# Altium PCB RT5728MainDriver20181215V0.01.PcbDoc (part 2 of 2)
Units mil, origin at the board's own origin, x right, y up, seen from the top; angles counter-clockwise.
Board outline 3464.57 x 2755.91 mil, 2 copper layers (Top Layer, Bottom Layer); 138 components, 73 nets, 341 pads, 541 vias.
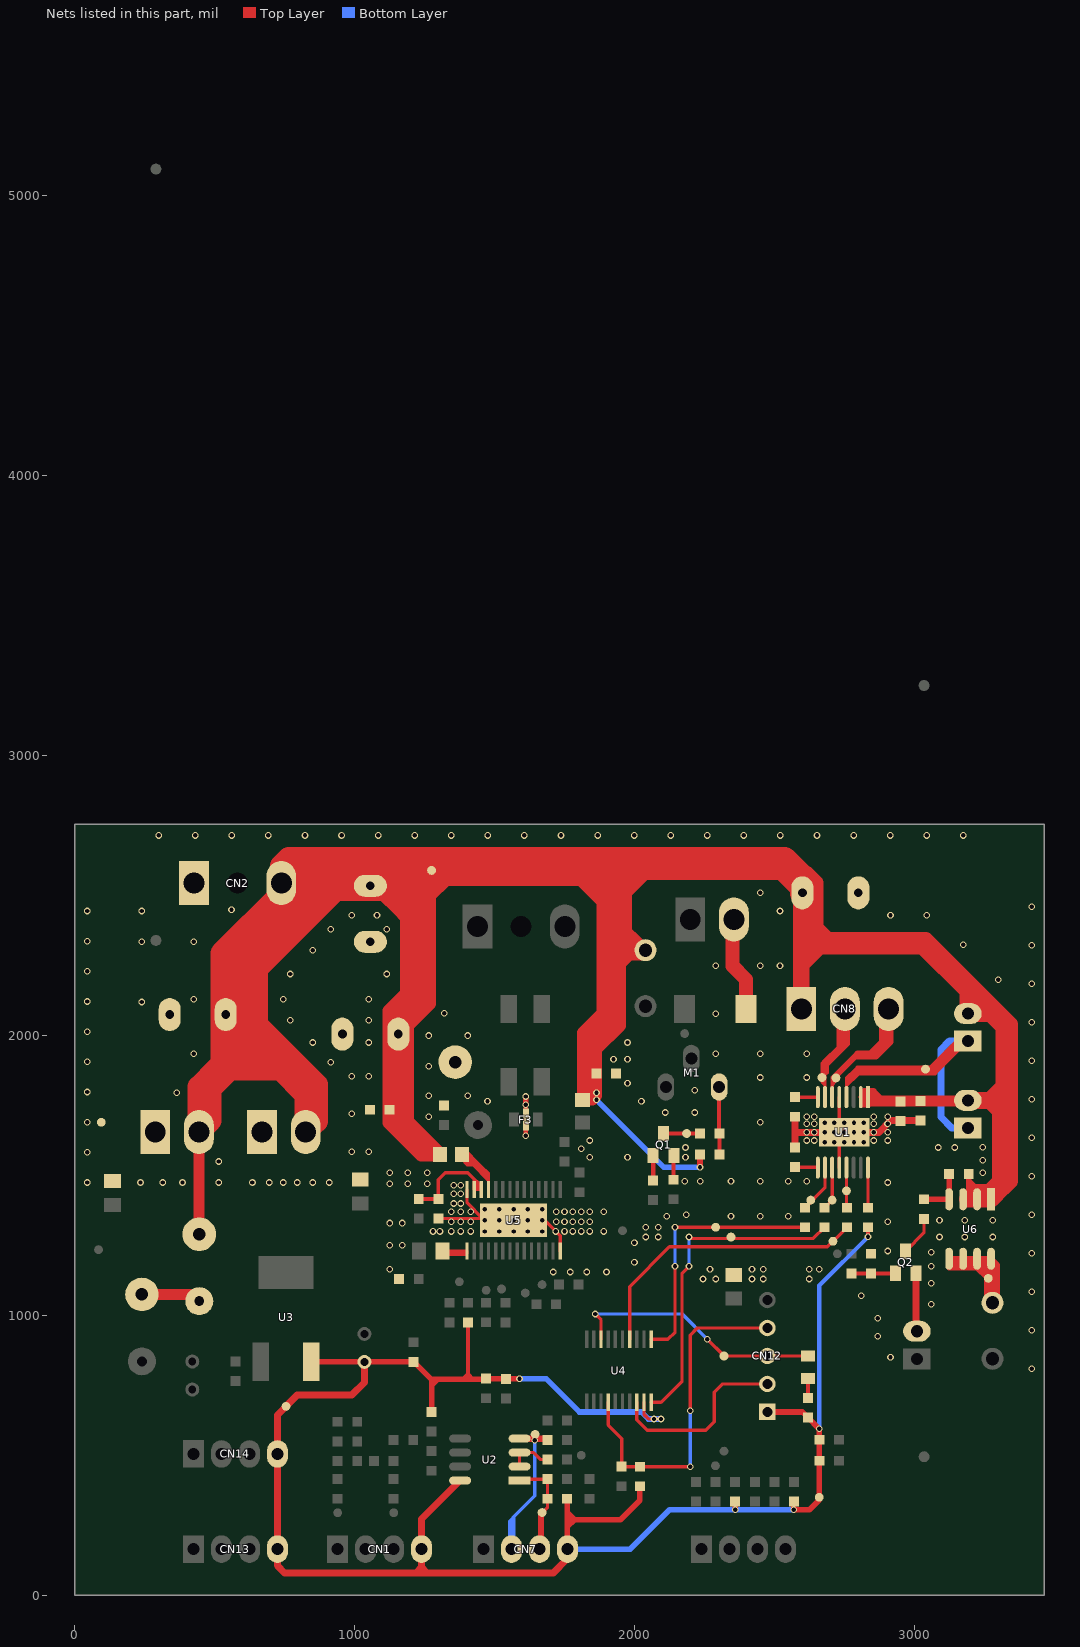
[diagram p2: the nets of this part, all layers, seen from the top]

## Via types
v1: diameter 23.62, hole 15.75, Top Layer to Bottom Layer, tented both sides, 511 vias
v2: diameter 19.68, hole 15.75, Top Layer to Bottom Layer, tented both sides, 30 vias

## Nets (pads, with @x,y where several pads share a name; then routed paths per layer and width w, separated by ;. In a path a pad name is that pad's centre, name@x,y a point inside that pad or via, vN(x,y) a via of type N, cw(c..) or ccw(c..) an arc to the next point about the centre after c; other vN are vias at no path point) (continued)
NetF2_2: F2.2 TP21.1 U6.5 U6.6 U6.7 U6.8 | length 1273.4
  Top Layer w20: 3244.37,1175 3244.37,1185 ; F2.2@3259.37,1065 TP21.1@3259.37,1135 ; F2.2@3274.37,1050 3274.37,1120 ; F2.2@3279.37,1045 U6.8@3279.37,1197.4 ; F2.2@3296.77,1062.4 3296.77,1180 U6.8@3279.37,1197.4 ; U6.5@3124.37,1185 U6.5@3124.37,1202.4 U6.6@3174.37,1202.4 3204.37,1202.4 ; U6.5@3124.37,1185 3124.37,1170 U6.7@3224.37,1170 ; U6.5@3124.37,1185 U6.7@3221.77,1185 ; 3204.37,1202.4 U6.7@3224.37,1202.4 ; 3204.37,1202.4 U6.7@3221.77,1185 ; U6.7@3221.77,1185 U6.7@3224.37,1182.4 ; U6.7@3221.77,1185 U6.7@3224.37,1185 ; U6.7@3224.37,1170 U6.7@3224.37,1182.4 ; U6.7@3224.37,1170 3236.77,1170 ; U6.7@3224.37,1170 TP21.1@3259.37,1135 ; U6.7@3224.37,1182.4 U6.7@3224.37,1185 ; U6.7@3224.37,1182.4 3236.77,1170 ; U6.7@3224.37,1185 U6.7@3224.37,1202.4 ; U6.7@3224.37,1185 3244.37,1185 ; U6.7@3224.37,1202.4 3244.37,1202.4 ; 3236.77,1170 3259.37,1170 ; 3236.77,1170 3259.37,1147.4 ; 3244.37,1185 3259.37,1185 ; 3244.37,1185 3244.37,1202.4 ; 3244.37,1202.4 3259.37,1202.4 ; TP21.1@3259.37,1135 3274.37,1120 ; TP21.1@3259.37,1135 3259.37,1147.4 ; 3259.37,1147.4 TP21.1@3274.37,1132.4 ; 3259.37,1147.4 3259.37,1170 ; 3259.37,1170 3259.37,1185 ; 3259.37,1185 3259.37,1202.4 ; 3259.37,1202.4 U6.8@3274.37,1202.4 ; 3274.37,1120 TP21.1@3274.37,1132.4 ; TP21.1@3274.37,1132.4 U6.8@3274.37,1202.4 ; U6.8@3274.37,1202.4 U6.8@3279.37,1197.4
NetL2_1: L2.1 U5.11 | length 636.1
  Top Layer w12: L2.1@1384.37,1557.45 1403.1,1538.73 1413.1,1538.73 ; L2.1@1384.37,1567.45 1413.1,1538.73 ; L2.1@1389.37,1595 1449.37,1535 ; L2.1@1404.37,1565 1421.87,1547.5 ; 1436.87,1542.5 1449.37,1530 ; U5.11@1478.46,1450 1478.46,1483.45 ; 1413.1,1538.73 1423.19,1538.73 ; 1414.42,1547.5 1386.92,1575 L2.1@1384.37,1575 1411.87,1547.5 1414.42,1547.5 ; 1414.42,1547.5 1421.87,1547.5 ; 1414.42,1547.5 1423.19,1538.73 ; 1421.87,1547.5 1430.64,1538.73 ; 1423.19,1538.73 1430.64,1538.73 ; 1423.19,1538.73 1478.46,1483.45 ; 1430.64,1538.73 1449.37,1520 ; 1449.37,1520 1449.37,1530 ; 1449.37,1520 1478.46,1490.91 ; 1449.37,1530 1449.37,1535 ; 1449.37,1530 1478.46,1500.91 ; 1449.37,1535 1478.46,1505.91 1478.46,1500.91 ; 1478.46,1483.45 1478.46,1490.91 ; 1478.46,1490.91 1478.46,1500.91
NetL4_1: L4.1 U5.15 | length 188
  Top Layer w12: L4.1@1314.37,1230 L4.1@1314.84,1229.53 ; L4.1@1314.84,1229.53 1326.84,1217.53 1395.91,1217.53 1401.69,1223.31 U5.15@1401.69,1229.53 L4.1@1314.84,1229.53
NetLED1_A: LED1.A R41.2 | length 70
  Top Layer w15: R41.2@2620,705 LED1.A@2620,775
NetM1_G: M1.G R13.1 R16.1 | length 239
  Top Layer w15: R13.1@2302.37,1652 M1.G@2302.37,1816 ; R16.1@2304.37,1575 R13.1@2304.37,1650
NetQ1_b: Q1.B R2.2 | length 88.7
  Top Layer w15: R2.2@2066.97,1482.6 Q1.B@2066.97,1571.26
NetQ1_c: Q1.C R13.2 TP5.1 | length 130
  Top Layer w15: Q1.C@2104.37,1650 R13.2@2234.37,1650
NetQ2_b: Q2.B R3.2 R4.2 | length 155.7
  Top Layer w15: R3.2@2775,1150 R4.2@2845,1150 Q2.B@2930.71,1150
NetQ2_c: Q2.C R8.1 | length 141.9
  Top Layer w12: Q2.C@2969.37,1230 3034.37,1295 R8.1@3034.37,1345
NetR7_1: R7.1 R8.2 U6.4 | length 180
  Top Layer w20: R8.2@3034.37,1415 U6.4@3124.37,1415 R7.1@3124.37,1505
NetR22_2: R22.2 R23.1 | length 180.8
  Top Layer w40: R23.1@240,1075 R22.2@420.79,1075
NetR27_1: R27.1 U2.2 U2.3 | length 160.4
  Top Layer w12: U2.2@1589.37,460 U2.3@1589.37,510 1639.37,510 1664.37,485 R27.1@1689.37,485
NetR40_2: R40.2 R42.2 U5.12 U5.13 | length 432.8
  Top Layer w12: R40.2@1299.37,1416.1 1299.37,1485 1324.37,1510 1404.37,1510 1427.28,1487.09 ; 1439.37,1450.71 1439.37,1475 ; 1446.12,1456.75 1446.12,1468.25 ; 1427.28,1487.09 1439.37,1475 ; 1427.28,1487.09 U5.13@1427.28,1450 U5.12@1452.87,1450 1452.87,1461.5 1446.12,1468.25 ; 1439.37,1475 1446.12,1468.25
  Top Layer w15: R42.2@1229.37,1416.1 R40.2@1299.37,1416.1
NetR44_1: R44.1 U1.16 | length 143
  Top Layer w12: R44.1@2834.37,1385 U1.16@2834.37,1528.03
NetR45_2: R45.2 U1.9 | length 78.9
  Top Layer w12: R45.2@2574.37,1530 U1.9@2653.27,1530
NetR46_2: R46.2 U1.8 | length 80.9
  Top Layer w12: R46.2@2574.37,1780 U1.8@2655.24,1780
NRST: C21.2 CN12.4 R43.2 U4.4 | length 1251.6
  Top Layer w12: U4.4@1906.14,690 1906.14,608.23 1954.37,560 C21.2@1954.37,459.56 R43.2@2019.37,459.56 v1(2199.56,459.56) ; v1(2199.56,659.56) 2199.56,929.56 2225,955 CN12.4@2475,955
  Bottom Layer w12: v1(2199.56,459.56) v1(2199.56,659.56)
PGND: C2.2 C4.2 C7.2 C8.2 C11.2 C14.2 C19.2 C20.2 C22.2 C27.2 CN2.1 CN3.1 CN4.2 CN5.1 CN15.2 D1.A F3.3 Q1.E Q2.E R1.2 R4.1 R12.2 R17.2 R18.2 R39.1 R40.1 R45.1 R46.1 TP14.1 U1.5 U1.12 U5.14 U5.28 | length 2107.9
  Top Layer w12: R40.1@1299.37,1346.1 U5.28@1458.27,1346.1 ; U5.14@1401.69,1450 1401.69,1402.68 U5.28@1458.27,1346.1 ; U5.28@1464.61,1339.76 U5.28@1458.27,1346.1 ; U5.28@1561.7,1346.1 U5.28@1458.27,1346.1 ; U5.28@1679.61,1339.76 1734.37,1285 U5.28@1734.37,1229.53 ; U1.12@2732.01,1528.03 U1.12@2732.01,1652.01 ; U1.12@2732.01,1671.38 U1.5@2732.01,1780
  Top Layer w15: v1(1611.89,1642.52) F3.3@1611.89,1700 v1(1611.89,1752.48) ; R1.2@2139.37,1485 Q1.E@2139.37,1568.86
  Top Layer w20: v1(1611.89,1752.48) v1(1611.89,1782.11)
  Top Layer w25: R45.1@2574.37,1600 R46.1@2574.37,1710 ; 2578.39,1654.02 v2(2679.37,1654.02) v2(2714.37,1654.02) v2(2749.37,1654.02) v2(2784.37,1654.02) v2(2819.37,1654.02) 2873.39,1654.02 2915.48,1696.11 C11.2@3022.16,1696.11 ; Q2.E@3006.77,1151.26 3006.77,946.02 CN15.2@3009.37,943.43
  Top Layer w50: CN4.2@2359.37,2410.91 2350,2401.54 2350,2249.37 2399.37,2200 D1.A@2399.37,2095
  other v1: 3420,810 2915,850 2870,925 3420,947.5 2870,990 3060,1040 2810,1070 3420,1085 3060,1115 2245,1130 2290,1130 2420,1130 2460,1130 2625,1130 1710,1155 1770,1155 1830,1155 1900,1155 1125,1165 2270,1165 2420,1165 2460,1165 2625,1165 2660,1165 3060,1175 2000,1190 3420,1222.5 3060,1225 2905,1230 1125,1250 1170,1250 2000,1260 2040,1280 2085,1280 3090,1280 3180,1280 3280,1280 1280,1300 1305,1300 1345,1300 1380,1300 1415,1300 1719.37,1300 1750,1300 1780,1300 1810,1300 1840,1300 1890,1300 2040,1315 2085,1315 1125,1330 1170,1330 1345,1335 1380,1335 1415,1335 1720,1335 1750,1335 1780,1335 1810,1335 1840,1335 2905,1335 3090,1340 3180,1340 3280,1340 2115,1355 2345,1355 2450,1355 2550,1355 2185,1360 3420,1360 1345,1370 1380,1370 1415,1370 1720,1370 1750,1370 1780,1370 1810,1370 1840,1370 1890,1370 1355,1400 1380,1400 1355,1435 1380,1435 1355,1465 1380,1465 1125,1470 1190,1470 1260,1470 45,1475 235,1475 315,1475 385,1475 515,1475 635,1475 695,1475 745,1475 795,1475 850,1475 910,1475 2905,1475 2180,1480 2235,1480 2345,1480 2450,1480 2550,1480 2615,1480 3420,1497.5 1125,1510 1190,1510 1260,1510 3245,1510 515,1550 3245,1555 1840,1565 1975,1565 2182.37,1565 45,1582.78 990,1585 1050,1585 1810,1595 2182.37,1600 3085,1600 3145,1600 3245,1600.71 1840,1625 2615,1625 2643.01,1625 2855,1625 2905,1625 3420,1635 2855,1654.02 2615,1655 2643.01,1655 2905,1655 2615,1685 2643.01,1685 2855,1685 2904.37,1685 45,1690.56 2450,1690 1265,1710 2615,1710 2643.01,1710 2855,1710 2905,1710 990,1720 2110,1725 2215,1725 1475,1765 2025,1765 3420,1772.5 1265,1785 1405,1785 365,1795 45,1798.33 2215,1805 1975,1830 2450,1850 2615,1850 990,1855 1050,1855 1265,1890 914.26,1905 45,1906.11 3420,1910 1925,1915 1975,1915 425,1935 2290,1935 2450,1935 2615,1935 850,1975 1050,1975 1975,1975 1265,2000 1405,2000 45,2013.89 3420,2047.5 770,2055 1050,2055 2290,2077.36 1320,2080 240,2120 45,2121.67 425,2130 745,2130 1050,2130 3420,2185 3300,2200 770,2220 1115,2220 45,2229.44 2290,2250 2450,2250 2520,2250 850,2305 3420,2322.5 3175,2325 240,2335 425,2335 45,2337.22 915,2380 1115,2380 990,2430 1080,2430 2915,2430 3045,2430 45,2445 240,2445 2520,2445 560,2450 3420,2460 2450,2510 300,2715 430.68,2715 561.36,2715 692.05,2715 822.73,2715 953.41,2715 1084.09,2715 1214.77,2715 1345.45,2715 1476.14,2715 1606.82,2715 1737.5,2715 1868.18,2715 1998.86,2715 2129.54,2715 2260.23,2715 2390.91,2715 2521.59,2715 2652.27,2715 2782.95,2715 2913.63,2715 3044.32,2715 3175,2715
  other v2: 1465.67,1299.76 1516.85,1299.76 1568.03,1299.76 1619.21,1299.76 1670.39,1299.76 1465.67,1339.76 1516.85,1339.76 1568.03,1339.76 1619.21,1339.76 1670.39,1339.76 1465.67,1379.76 1516.85,1379.76 1568.03,1379.76 1619.21,1379.76 1670.39,1379.76 2679.37,1619.02 2714.37,1619.02 2749.37,1619.02 2784.37,1619.02 2819.37,1619.02 2679.37,1689.02 2714.37,1689.02 2749.37,1689.02 2784.37,1689.02 2819.37,1689.02
RX: CN7.3 R24.2 R25.1 TP17.1 U2.1 | length 478.3
  Top Layer w12: U2.1@1594.37,415 R25.1@1689.37,415 R24.2@1689.37,345 1689.37,315 TP17.1@1670,295.63 ; CN7.3@1660.91,165 1660.91,286.54 TP17.1@1670,295.63 ; CN7.3@1670,174.09 TP17.1@1670,295.63
SWCLK/LED: CN12.3 LED1.K TP27.1 U4.18 | length 926.1
  Top Layer w12: v1(1859.37,1005) 1880.55,983.82 U4.18@1880.55,914.41 ; v1(2260,915) TP27.1@2320,855 CN12.3@2475,855 LED1.K@2620,855
  Bottom Layer w12: v1@1862.18,1007.81 v1(1859.37,1005) 2170,1005 v1(2260,915)
SWDIO: CN12.2 U4.8 | length 675
  Top Layer w12: U4.8@2008.5,690 2008.5,626.5 2045,590 2255,590 2285,620 2285,725 2315,755 CN12.2@2475,755
TX: CN7.2 R26.1 TP16.1 U2.4 | length 820.6
  Top Layer w12: U2.4@1594.37,565 1672.92,565 R26.1@1683.67,554.25 ; U2.4@1595.12,554.25 v1(1644.37,554.25) R26.1@1683.67,554.25 ; R26.1@1688.93,554.25 R26.1@1683.67,554.25
  Bottom Layer w12: CN7.2@1554.37,171.54 1554.37,265 1560.91,271.54 ; CN7.2@1560.91,165 1560.91,271.54 ; CN7.2@1569.37,173.46 1569.37,280 ; v1(1644.37,554.25) 1644.37,355 1569.37,280 ; 1560.91,271.54 1569.37,280
V24: C2.1 C4.1 C7.1 C8.1 C11.1 C19.1 C20.1 C27.1 CN2.3 CN3.2 CN5.2 CN6.2 CN8.1 CN9.2 F1.1 L2.2 L3.2 R7.2 R16.2 R22.1 TP11.1 U1.1 U1.2 U6.1 U6.2 U6.3 | length 26417
  Top Layer w15: U1.2@2808.78,1780 2809.37,1779.41 2809.37,1750 2838.26,1750 2854.37,1766.11 2874.13,1785.87 ; 2819.37,1790.59 2819.37,1805 2855,1805 2865,1795 ; 2849.37,1795 2865,1795 ; 2850,1780 2865,1795 ; 2893.89,1766.11 2874.13,1785.87 ; 2865,1795 2874.13,1785.87
  Top Layer w20: v1(2234.37,1530) R16.2@2234.37,1575 ; U6.3@3174.37,1440 U6.3@3174.37,1435 ; U6.3@3179.37,1420 U6.3@3174.37,1415 U6.3@3174.37,1435 ; R7.2@3194.37,1505 3194.37,1480 ; 3240,1430.63 3240,1460 ; 3255,1434.37 3255,1460 ; 3287.5,1750.93 3287.5,1485 ; 3319.37,1460 3275,1460 ; 3339.92,1524.92 3320,1505 3287.5,1472.5 ; U6.3@3174.37,1435 3204.37,1435 ; 3194.37,1460 3214.37,1460 ; 3194.37,1460 3194.37,1480 ; 3194.37,1460 U6.2@3224.37,1430 ; 3194.37,1460 3194.37,1445 3204.37,1435 ; 3194.37,1480 3214.37,1460 ; 3204.37,1435 U6.2@3224.37,1415 U6.2@3224.37,1430 ; 3214.37,1460 3240,1460 ; 3214.37,1460 3224.37,1450 U6.2@3224.37,1430 ; 3240,1460 3255,1460 ; 3255,1460 3262.5,1460 ; 3262.5,1460 3275,1460 ; 3262.5,1460 3287.5,1485 ; 3275,1460 3287.5,1472.5 ; 3287.5,1472.5 3287.5,1485
  Top Layer w40: R22.1@443.7,1291.3 CN5.2@443.7,1655 ; 1884.37,2615 1884.37,2560 1884.37,2485 1884.37,2080 ; 1919.37,2580 1919.37,2050 ; 1949.37,2600 1949.37,2575 ; 1971.87,2577.5 1971.87,2575 ; F1.1@2021.87,2287.5 1981.87,2287.5 ; F1.1@2039.37,2305 F1.1@2019.37,2325 ; 2049.37,2587.5 2036.87,2575 ; 2049.37,2620 2004.37,2575 ; C7.1@2600,2510 2596.26,2513.74 2535,2575 2036.87,2575 ; U1.1@2833.97,1790.4 2833.97,1766.11 2854.37,1766.11 2893.89,1766.11 C11.1@3022.16,1766.11 CN9.2@3188.95,1766.11 ; L3.2@1814.37,1770 1814.37,2010 1884.37,2080 ; L3.2@1814.37,1770 1834.37,1790 1834.37,1965 ; L3.2@1814.37,1770 1849.37,1770 1864.37,1785 v1(1864.37,1795) C20.1@1864.37,1865 1864.37,1950 1949.37,2035 1949.37,2080 ; 1834.37,1965 1834.37,1995 1884.37,2045 1884.37,2080 ; 1834.37,1965 1919.37,2050 ; 1919.37,2050 1949.37,2080 ; 1949.37,2080 1949.37,2255 ; 1949.37,2255 1949.37,2325 1949.37,2395 ; 1949.37,2255 1981.87,2287.5 ; 1949.37,2395 1949.37,2520 ; 1949.37,2395 1971.87,2372.5 ; 1949.37,2520 1949.37,2575 ; 1949.37,2520 1971.87,2542.5 ; 1949.37,2575 1971.87,2575 ; 1971.87,2372.5 1971.87,2510 ; 1971.87,2372.5 2001.87,2342.5 ; 1971.87,2510 2036.87,2575 ; 1971.87,2510 1971.87,2542.5 ; 1971.87,2542.5 1971.87,2575 ; 1971.87,2542.5 2004.37,2575 ; 1971.87,2575 2004.37,2575 ; 1981.87,2287.5 F1.1@2001.87,2307.5 ; F1.1@2001.87,2307.5 2001.87,2342.5 ; F1.1@2001.87,2307.5 F1.1@2019.37,2325 ; 2001.87,2342.5 F1.1@2019.37,2325 ; 2004.37,2575 2036.87,2575
  Top Layer w50: C2.1@1029.37,2545 C2.1@1054.37,2520 ; C27.1@1156.26,2005 C27.1@1186.87,2035.61 ; 1169.37,2620 1164.37,2615 1164.37,2530 1186.87,2552.5 ; 1186.87,2557.5 1186.87,2552.5 ; 1254.37,2620 1186.87,2552.5 ; 1266.26,2608.11 TP11.1@1266.26,2586.89 ; 1299.37,2620 TP11.1@1266.26,2586.89 ; 1331.87,2620 1271.87,2560 ; 1899.37,2470 1884.37,2485 1809.37,2560 ; 1904.37,2560 1884.37,2560 1809.37,2560 ; 1124.37,1755 C19.1@1124.37,1735 1124.37,1690 1239.37,1575 1259.37,1575 ; 1124.37,1755 1151.56,1727.81 ; 1124.37,1755 1124.37,2087.5 1151.56,2114.69 ; 1151.56,1727.81 1151.56,2114.69 ; 1151.56,1727.81 1164.37,1715 ; 1151.56,2114.69 1186.87,2150 ; 1164.37,1715 1164.37,1670 1259.37,1575 ; 1164.37,1715 1186.87,1692.5 ; 1186.87,1692.5 L2.2@1304.37,1575 1259.37,1575 ; 1186.87,1692.5 C27.1@1186.87,2035.61 ; C27.1@1186.87,2035.61 1231.26,2080 ; C27.1@1186.87,2035.61 1186.87,2150 ; 1186.87,2150 1231.26,2194.39 ; 1186.87,2150 1186.87,2444.39 1186.87,2475 ; 1186.87,2475 1186.87,2507.5 ; 1186.87,2475 1266.26,2554.39 ; 1186.87,2507.5 1186.87,2552.5 ; 1186.87,2507.5 1239.37,2560 ; 1231.26,2080 1231.26,2194.39 ; 1231.26,2080 1266.26,2115 1266.26,2500 ; 1231.26,2194.39 1231.26,2465 1266.26,2500 ; 1239.37,2560 1266.26,2560 ; 1239.37,2560 TP11.1@1266.26,2586.89 ; 1266.26,2500 1266.26,2554.39 ; 1266.26,2500 1326.26,2560 ; 1266.26,2554.39 1266.26,2560 ; 1266.26,2554.39 1271.87,2560 ; 1266.26,2560 TP11.1@1266.26,2586.89 ; 1266.26,2560 1271.87,2560 ; 1271.87,2560 1326.26,2560 ; 1326.26,2560 1809.37,2560
  Top Layer w60: CN8.1@2596.26,2095 2596.26,2255 ; C7.1@2596.26,2506.26 2596.26,2388.74 ; 2614.88,2575.12 2645,2545 2645,2385 ; 3190,1415 U6.2@3224.37,1415 U6.1@3274.37,1415 3319.37,1460 3320,1460.63 ; CN9.2@3191.26,1768.43 3270,1768.43 ; 3191.26,2160 3191.26,2158.66 ; 3311.57,1768.43 3270,1768.43 ; 2596.26,2255 2661.26,2320 ; 2596.26,2255 2596.26,2291.26 ; 2596.26,2291.26 2596.26,2340 ; 2596.26,2291.26 2625,2320 ; 2596.26,2340 2596.26,2388.74 ; 2596.26,2340 2645,2340 ; 2596.26,2388.74 2645,2340 ; 2625,2320 2645,2340 ; 2625,2320 2661.26,2320 ; 2645,2340 2645,2385 ; 2645,2340 2690,2340 ; 2645,2385 2690,2340 ; 2661.26,2320 3029.92,2320 ; 2690,2340 3009.92,2340 ; 3009.92,2340 3029.92,2320 ; 3009.92,2340 3040,2340 3339.92,2040.08 3339.92,2010 ; 3029.92,2320 3191.26,2158.66 ; 3191.26,2158.66 CN6.2@3191.26,2078.43 3271.5,2078.43 ; 3191.26,2158.66 3271.5,2078.43 ; 3270,1768.43 3287.5,1750.93 3320,1718.43 ; 3270,1768.43 3320,1818.43 ; 3271.5,2078.43 3320,2029.92 ; 3320,1460.63 3320,1505 3320,1718.43 ; 3320,1460.63 3339.92,1480.55 3339.92,1524.92 3339.92,1698.5 ; 3320,1718.43 3339.92,1698.5 ; 3320,1718.43 3320,1818.43 ; 3320,1818.43 3339.92,1838.35 ; 3320,1818.43 3320,2029.92 ; 3320,2029.92 3339.92,2010 ; 3339.92,1698.5 3339.92,1838.35 ; 3339.92,1838.35 3339.92,2010
  Top Layer w80: 651.18,1981.81 651.18,2038.19 ; 651.18,2401.81 525.28,2275.91 ; 706.18,2398.19 706.18,2446.81 ; 709.37,1960 669.37,1920 ; 789.37,1880 734.37,1880 ; 846.26,2615.71 CN2.3@738.07,2507.52 ; 969.37,2558.19 931.18,2520 ; C2.1@1056.26,2535 C2.1@1096.26,2535 ; C2.1@1109.37,2520 1054.37,2520 931.18,2520 ; 1119.37,2565 969.37,2565 ; 1186.87,2475 1126.87,2535 C2.1@1096.26,2535 ; 1211.26,2420 1186.87,2444.39 C2.1@1096.26,2535 ; 1929.37,2325 1949.37,2325 ; 2049.37,2620 1331.87,2620 1299.37,2620 1254.37,2620 1169.37,2620 1024.37,2620 ; 2050.96,2621.59 2501.59,2621.59 ; C7.1@2596.26,2506.26 2596.26,2513.74 C7.1@2596.26,2526.93 ; 443.7,1769.33 CN5.2@443.7,1655 485.31,1696.61 485.31,1810.94 ; 443.7,1769.33 443.7,1816.5 507.2,1880 ; 443.7,1769.33 485.31,1810.94 ; 485.31,1810.94 554.37,1880 ; 507.2,1880 554.37,1880 ; 507.2,1880 525.28,1898.07 525.28,2164.09 ; 525.28,2164.09 525.28,2275.91 ; 525.28,2164.09 594.37,2095 ; 525.28,2275.91 525.28,2294.72 CN2.3@738.07,2507.52 ; 554.37,1880 594.37,1880 ; 554.37,1880 594.37,1920 ; 594.37,1880 629.37,1880 ; 594.37,1880 594.37,1920 ; 594.37,1920 594.37,1980 ; 594.37,1920 669.37,1920 ; 594.37,1980 709.37,1980 ; 594.37,1980 594.37,2095 ; 594.37,2095 594.37,2260 651.18,2316.81 ; 594.37,2095 651.18,2038.19 ; 629.37,1880 734.37,1880 ; 629.37,1880 669.37,1920 ; 651.18,2038.19 709.37,1980 ; 651.18,2038.19 651.18,2240 ; 651.18,2240 931.18,2520 ; 651.18,2240 651.18,2316.81 ; 651.18,2316.81 651.18,2391.81 706.18,2446.81 ; 651.18,2316.81 854.37,2520 ; 669.37,1920 694.37,1920 734.37,1880 ; 706.18,2446.81 CN2.3@738.07,2478.7 ; 709.37,1980 864.37,1825 864.37,1694.09 CN3.2@825.28,1655 825.28,1789.09 734.37,1880 ; CN2.3@738.07,2478.7 CN2.3@738.07,2507.52 ; CN2.3@738.07,2478.7 779.37,2520 854.37,2520 ; CN2.3@738.07,2507.52 CN2.3@738.07,2545 738.07,2606.89 CN2.3@751.18,2620 ; CN2.3@751.18,2620 954.37,2620 ; CN2.3@751.18,2620 765,2633.82 2537.56,2633.82 2549.78,2621.59 ; 854.37,2520 924.37,2520 ; 854.37,2520 954.37,2620 ; 924.37,2520 969.37,2565 ; 924.37,2520 931.18,2520 ; 954.37,2620 1024.37,2620 ; 969.37,2565 1024.37,2620 ; 2501.59,2621.59 C7.1@2596.26,2526.93 ; 2501.59,2621.59 2549.78,2621.59 ; 2549.78,2621.59 2596.26,2575.12 C7.1@2596.26,2526.93
  Bottom Layer w20: v1(1864.37,1795) v1(1864.37,1770) 2104.37,1530 v1(2234.37,1530)
VALVE2_ENBL: R10.1 TP1.1 U4.14 | length 1048.7
  Top Layer w12: U4.14@1982.91,914.41 1982.91,1102.91 2125,1245 2689.37,1245 2749.37,1305 R10.1@2759.37,1305
VALVE2ENBL: R10.2 TP8.1 U1.13 | length 141.3
  Top Layer w12: R10.2@2757.6,1386.77 U1.13@2757.6,1528.03
VALVE2OUT: CN6.1 CN9.1 TP22.1 U1.4 | length 2484.7
  Top Layer w12: U1.4@2757.6,1780 2757.6,1820 ; CN6.1@3150,1980 3056.26,1886.26 ; CN6.1@3160,1980 3066.26,1886.26 ; CN6.1@3191.26,1980 CN6.1@3190,1980 ; 2757.6,1820 2800,1862.4 ; 2757.6,1820 2757.6,1835 ; 2757.6,1835 2757.6,1847.6 2790,1880 ; 2757.6,1835 2785,1862.4 ; 2785,1862.4 2795,1872.4 ; 2785,1862.4 2800,1862.4 ; 2790,1880 2802.6,1880 ; 2790,1880 2796.26,1886.26 3056.26,1886.26 ; 2795,1872.4 2802.6,1880 ; 2795,1872.4 2810,1872.4 ; 2800,1862.4 2810,1872.4 ; 2800,1862.4 3072.4,1862.4 3082.4,1872.4 ; 2802.6,1880 2817.6,1880 ; 2810,1872.4 3082.4,1872.4 ; 2810,1872.4 2817.6,1880 ; 2817.6,1880 TP22.1@3050,1880 ; TP22.1@3050,1880 3060,1880 ; TP22.1@3050,1880 3056.26,1886.26 ; 3056.26,1886.26 3066.26,1886.26 ; 3060,1880 3075,1880 3081.26,1886.26 ; 3060,1880 3066.26,1886.26 ; 3066.26,1886.26 3081.26,1886.26 ; 3081.26,1886.26 3175,1980 CN6.1@3190,1980 ; 3082.4,1872.4 CN6.1@3190,1980
  Bottom Layer w25: CN9.1@3191.26,1670 3133.74,1670 3095,1708.74 3095,1950 3125,1980 CN6.1@3191.26,1980
VALVE3_ENBL: R11.1 TP2.1 U4.10 | length 1169.7
  Top Layer w12: U4.10@2059.68,690 2095,690 2170,765 2170,1150 v1(2195,1175) ; v1(2195,1280) 2200,1275 2639.37,1275 R11.1@2679.37,1315
  Bottom Layer w12: v1(2195,1175) v1(2195,1280)
VALVE3ENBL: R11.2 TP9.1 U1.11 | length 154.2
  Top Layer w12: R11.2@2679.37,1385 TP9.1@2706.42,1412.05 U1.11@2706.42,1528.03
VALVE3OUT: CN8.3 TP20.1 U1.6 | length 1376.8
  Top Layer w12: U1.6@2706.42,1780 2706.42,1825 ; TP20.1@2720,1838.58 2706.42,1825 ; CN8.3@2880,2066.93 2880,1980 ; 2885,1985 2880,1980 ; CN8.3@2890,2076.93 2890,1975 ; CN8.3@2900,2086.93 2900,1985 2890,1975 ; CN8.3@2908.07,2095 2908.07,1978.07 2860,1930 2845,1930 ; CN8.3@2920,2083.07 2920,1975 2865,1920 2791.42,1920 ; 2706.42,1825 2706.42,1835 ; 2706.42,1835 TP20.1@2720,1848.58 2791.42,1920 ; 2706.42,1835 2706.42,1851.42 2785,1930 ; 2785,1930 2795,1940 2840,1940 ; 2785,1930 2801.42,1930 ; 2791.42,1920 2801.42,1930 ; 2801.42,1930 2845,1930 ; 2840,1940 2880,1980 ; 2840,1940 2855,1940 ; 2845,1930 2855,1940 ; 2855,1940 2880,1965 ; 2880,1965 2890,1975 ; 2880,1965 2880,1980
VALVE4_ENBL: R9.1 TP3.1 U4.11 | length 935.3
  Top Layer w12: U4.11@2059.68,914.41 2119.41,914.41 2145,940 v1(2145,1175) ; v1(2145,1315) TP3.1@2290,1315 R9.1@2609.37,1315
  Bottom Layer w12: v1(2145,1175) v1(2145,1315)
VALVE4ENBL: R9.2 TP10.1 U1.10 | length 172.6
  Top Layer w12: R9.2@2609.37,1385 2680.83,1456.46 U1.10@2680.83,1528.03
VALVE4OUT: CN8.2 TP19.1 U1.7 | length 1270.1
  Top Layer w12: U1.7@2680.83,1780 2680.83,1825 ; CN8.2@2727.5,2070.33 2727.5,1957.5 ; CN8.2@2735,2077.83 2735,1965 ; CN8.2@2745,2087.83 2745,1975 ; CN8.2@2752.17,2095 2752.17,1982.17 2745,1975 ; CN8.2@2755.83,2077.01 2755.83,1975 ; CN8.2@2765,2082.17 2765,1984.17 ; 2680.83,1825 TP19.1@2680.83,1860 ; 2680.83,1825 2670,1835.83 TP19.1@2670,1850 2670,1900 2680.83,1910.83 ; TP19.1@2680.83,1860 2690,1869.17 2690,1895 ; TP19.1@2680.83,1860 2680.83,1900 ; 2680.83,1900 2680.83,1910.83 ; 2680.83,1900 2690,1909.17 ; 2680.83,1910.83 2727.5,1957.5 ; 2690,1895 2765,1970 2765,1984.17 ; 2690,1895 2690,1909.17 ; 2690,1909.17 2755.83,1975 ; 2727.5,1957.5 2735,1965 ; 2735,1965 2745,1975 ; 2755.83,1975 2765,1984.17
VCC: C9.1 C10.1 C12.2 C13.1 C25.1 C26.1 CN1.4 CN7.4 CN12.1 CN13.4 CN14.4 R20.2 R24.1 R35.2 R36.2 R41.1 R43.1 R44.2 R47.2 TP23.1 TP24.1 U2.8 U3.3 U4.9 | length 7224.4
  Top Layer w12: U4.9@2034.09,690 2034.09,645.91 2050,630 v1(2070,630) v1(2095,630)
  Top Layer w15: 1386.5,771.5 1405,790 ; 1400,771.5 1405,776.5 1405,790 ; R47.2@1405,975 1405,790 ; 1430,771.5 1423.5,771.5 1405,790 ; v1(2834.37,1280.63) R44.2@2834.37,1315
  Top Layer w20: U3.3@844.92,834 C9.1@1035,834 1212.5,834 1275,771.5 ; R20.2@1275,655.63 1275,750 ; 1300,771.5 1296.5,771.5 ; C12.2@1458.62,771.5 1423.5,771.5 1400,771.5 1386.5,771.5 1296.5,771.5 ; C12.2@1470,774 v1(1589.25,774) ; CN7.4@1759.37,166.54 1759.37,244.37 ; R24.1@1759.37,345 1759.37,270 ; 1760,295 1785,270 ; R43.1@2019.37,389.56 2019.37,339.37 1950,270 1785,270 ; v1(2360,305.63) v1@2360,315 ; CN12.1@2475,655 2600,655 R41.1@2620,635 v1(2660.49,594.51) C25.1@2660.49,555.75 C26.1@2660.49,480.75 2660.49,340.49 2625.63,305.63 v1(2569.37,305.63) R36.2@2569.37,335 ; 1275,750 1296.5,771.5 ; 1275,750 1275,771.5 ; 1275,771.5 1296.5,771.5 ; 1759.37,244.37 1785,270 ; 1759.37,244.37 1759.37,270 ; 1759.37,270 1785,270
  Top Layer w25: C9.1@1035,834 1035,760 990,715 795,715 724.37,644.37 CN14.4@724.37,505 CN13.4@724.37,165 724.37,105.63 750,80 1219.37,80 ; 1239.37,80.63 1239.37,100 ; U2.8@1376.77,410 1239.37,272.6 CN1.4@1239.37,165 1239.37,100 ; CN7.4@1759.37,166.54 1759.37,129.37 1710,80 1259.37,80 ; 1219.37,80 1259.37,80 ; 1219.37,80 1239.37,100 ; 1239.37,100 1259.37,80
  Bottom Layer w15: v1(2660.49,594.51) 2660.49,1106.75 v1(2834.37,1280.63)
  Bottom Layer w20: v1(1589.25,774) 1684.34,774 1803.34,655 2025,655 2050,630 v1(2070,630) v1(2095,630) ; CN7.4@1760.91,165 1985,165 2125.63,305.63 v1(2569.37,305.63)
pads on no net: CN2.2 CN10.2 U1.3 U1.14 U1.15 U5.22

## Polygon pours and split planes (outlines as drawn)
GND on Top Layer "Top Layer-No Net" (solid, remove dead copper, pour order 6): 0,1433.74 0,0 3460,0 3464.57,0 3464.57,770 2930,770 2830,870 2830,1000 2740,1090 1110,1090 1085,1115 1085,1395 1046.26,1433.74
PGND on Top Layer "Top Layer-No Net" (solid, remove dead copper, pour order 8): 0,1440 1050,1440 1090,1400 1090,1130 1120,1100 2745,1100 2840,1005 2840,870 2930,780 3464.57,780 3464.57,2755.91 0,2755.91
GND on Bottom Layer "Top Layer-No Net" (solid, remove dead copper, pour order 5): 0,1434 0,0.26 3460,0.26 3464.57,0.26 3464.57,770.26 2930,770.26 2830,870.26 2830,1000.26 2740,1090.26 1110,1090.26 1085,1115.26 1085,1400 1051,1434
PGND on Bottom Layer "Top Layer-No Net" (solid, remove dead copper, pour order 7): 0,1440 1065,1440 1095,1410 1095,1125 1120,1100 2745,1100 2840,1005 2840,870 2930,780 3464.57,780 3464.57,2755.91 0,2755.91

## Keep-outs
Keep-Out Layer:
  circle w5: c3307.09,2913.39 r68.9
  circle w5: c157.48,2913.39 r68.9
  circle w5: c157.48,5354.33 r68.9
  circle w5: c3307.09,5354.33 r68.9
  circle w5: c3307.09,2598.43 r68.9
  circle w5: c157.48,2598.43 r68.9
  circle w5: c157.48,157.48 r68.9
  circle w5: c3307.09,157.48 r68.9
  lines w5: 0,2755.91 3464.57,2755.91 ; 0,2755.91 0,5511.81 3464.57,5511.81 3464.57,2755.91 ; 0,2755.91 3464.57,2755.91 ; 0,2755.91 3464.57,2755.91 ; 0,2755.91 0,0 3464.57,0 3464.57,2755.91

## Other copper
Top Layer:
  pour cut-out: 2275,2550 2272.52,2547.52 2272.52,2277.52 2240,2245 2240,1979.52 2238.69,1978.21 2238.69,1862.99 2237.99,1862.99 2200,1825 2155,1825 1990,1990 1990,2450 2090,2550
  pour cut-out: 1349.21,2515 1800,2515 1855,2460 1855,2107.69 1750,2002.69 1750,1830 1705,1785 1485,1785 1450,1820 1450,1985 1311.65,2123.35 1311.65,2481.2
  pour cut-out: 2510,2200 2530,2220 3010,2220 3035,2195 3035,1985 3015,1965 2525,1965 2510,1980
  pour cut-out: 157.48,2440.94 cw(c157.48,2598.43) 0,2598.43 cw(c157.48,2598.43) 157.48,2755.91 cw(c157.48,2598.43) 314.96,2598.43 cw(c157.48,2598.43)
  pour cut-out: 3149.61,2598.43 ccw(c3307.09,2598.43) 3307.09,2440.94 ccw(c3307.09,2598.43) 3464.57,2598.43 ccw(c3307.09,2598.43) 3307.09,2755.91 ccw(c3307.09,2598.43)
  pour cut-out: 3149.61,157.48 ccw(c3307.09,157.48) 3307.09,0 ccw(c3307.09,157.48) 3464.57,157.48 ccw(c3307.09,157.48) 3307.09,314.96 ccw(c3307.09,157.48)
  pour cut-out: 0,157.48 ccw(c157.48,157.48) 157.48,0 ccw(c157.48,157.48) 314.96,157.48 ccw(c157.48,157.48) 157.48,314.96 ccw(c157.48,157.48)
Bottom Layer:
  pour cut-out: 1359.61,2545 1810.39,2545 1865.39,2490 1865.39,2137.69 1760.39,2032.69 1760.39,1860 1715.39,1815 1495.39,1815 1460.39,1850 1460.39,2015 1322.04,2153.35 1322.04,2511.2
  pour cut-out: 2490,2200 2510,2220 2990,2220 3015,2195 3015,1985 2995,1965 2505,1965 2490,1980

## Silkscreen, mask and mechanical layers (free items; w line width, h text height)
Top Overlay:
  circle w5: c3307.09,2598.43 r157.48
  circle w5: c157.48,157.48 r157.48
  circle w5: c157.48,2598.43 r157.48
  circle w5: c3307.09,157.48 r157.48
  text "PGND" at 385,2660 h38
  text "24V" at 685,2655 h38
  text "AirPump" at 2170,2655 h38
  text "BackPad" at 1495,2615 h38
  text "V24" at 2150,2590 h38
  text "PGND" at 2290,2590 h38
  text "Valve" at 2885,2346.18 h38
  text "24V" at 2492.19,2287.44 h38
  text "V4" at 2795,2280 h38
  text "V3" at 2890,2280 h38
  text "PGND" at 205,2265 h38
  text "24V" at 732.19,2262.44 h38
  text "24V" at 3345,2065 h38
  text "V2" at 3345,1960 h38
  text "Leg" at 3355,1870 h38
  text "Leg" at 3355,1820 h38
  text "PGND" at 220,1785 h38
  text "24V" at 410,1785 h38
  text "PGND" at 620,1770 h38
  text "24V" at 785,1770 h38
  text "24V" at 3350,1725 h38
  text "V2" at 3350,1650 h38
  text "PGND" at 625,1375 h38
  text "24V" at 790,1375 h38
  text "GND" at 2535,1015 h38
  text "REST" at 2535,945 h38
  text "PGND" at 2755,935 h38
  text "SWCLK" at 2250,865 h38
  text "V24" at 2785,805 h38
  text "SWDIO" at 2262.29,738.11 h38
  text "Hot" at 3055,680 h38
  text "VCC" at 2390,605 h38 r90
  text "RT5728MainDriver V0.01" at 2770,375 h38
  text "2LMD5728001" at 2835,325 h38
  text "GND" at 480,315 h38
  text "B" at 420,295 h38
  text "A" at 615,295 h38
  text "VCC" at 692.16,295.26 h38
  text "20181215" at 2835,275 h38
  text "GND" at 980,270 h38
  text "VCC" at 1170,270 h38
  text "A" at 1095.97,266 h38
  text "B" at 890,265 h38
  text "GND" at 1915,50 h38 r90
  text "TX" at 1960,50 h38 r90
  text "RX" at 2010,50 h38 r90
  text "VCC" at 2055,50 h38 r90
  text "UP" at 2730,50 h38 r90
  text "DOWN" at 2785,50 h38 r90
  text "GND" at 2835,50 h38 r90
  text "GND" at 2885,50 h38 r90
Bottom Overlay:
  text "PGND" at 505,2655 h38
  text "24V" at 775,2655 h38
  text "V24" at 2225,2565 h38
  text "PGND" at 2435,2565 h38
  text "V3" at 2935,2225 h38
  text "24V" at 2642.19,2222.44 h38
  text "V4" at 2790,2220 h38
  text "24V" at 3395,2070 h38
  text "V2" at 3395,1965 h38
  text "PGND" at 740,1790 h38
  text "24V" at 905,1790 h38
  text "PGND" at 330,1785 h38
  text "24V" at 520,1785 h38
  text "24V" at 3385,1740 h38
  text "V2" at 3385,1665 h38
  text "GND" at 2415,1040 h38
  text "PGND" at 3105,960 h38 r180
  text "REST" at 2415,940 h38
  text "V24" at 3105,870 h38 r180
  text "SWCLK" at 2420,835 h38
  text "SWDIO" at 2420,740 h38
  text "A" at 635,600 h38
  text "VCC" at 775,600 h38
  text "B" at 440,595 h38
  text "GND" at 575,595 h38
  text "VCC" at 2355,595 h38 r270
  text "UP" at 2230,270 h38
  text "A" at 630,260 h38
  text "VCC" at 770,260 h38
  text "GND" at 1088.98,260.48 h38
  text "GND" at 1490,260 h38
  text "TX" at 1585,260 h38
  text "RX" at 1690,260 h38
  text "VCC" at 1820,260 h38
  text "GND" at 2515,260 h38
  text "B" at 435,255 h38
  text "GND" at 570,255 h38
  text "DOWN" at 2395,255 h38
  text "GND" at 2635,250 h38
  text "A" at 1160,245 h38
  text "VCC" at 1300,245 h38
  text "B" at 965,240 h38

## Text inside footprints (layer, text, board x,y; h text height)
C2: Top Overlay "+" at 1026.26,2649 h59.05 r270
C4: Top Overlay "+" at 653.37,2105 h59.05 r180
C5: Top Overlay "+" at 400,937 h39.37 r270
C7: Top Overlay "+" at 2480,2590 h59.05
C9: Top Overlay "+" at 1055,732 h39.37 r90
C27: Top Overlay "+" at 1275,2070 h59.05 r180
CN1: Top Overlay "1" at 940,225 h38; Top Overlay "4" at 1219.37,235 h38
CN2: Top Overlay "1" at 341.17,2649 h38
CN3: Top Overlay "1" at 586.37,1751 h38
CN4: Top Overlay "1" at 2097.28,2397 h38
CN5: Top Overlay "1" at 204.8,1751 h38
CN6: Top Overlay "1" at 3115.26,1968 h38 r90; Top Overlay "2" at 3114.26,2070 h38 r90
CN7: Top Overlay "1" at 1461.91,235 h38; Top Overlay "4" at 1740.91,235 h38
CN8: Top Overlay "1" at 2511.17,2199 h38
CN9: Top Overlay "1" at 3115.26,1658 h38 r90; Top Overlay "2" at 3114.26,1760 h38 r90
CN10: Top Overlay "1" at 1354.28,2494 h38
CN11: Top Overlay "1" at 2240.37,235 h38; Top Overlay "4" at 2519.37,235 h38
CN13: Top Overlay "4" at 704.37,235 h38; Top Overlay "1" at 425.37,235 h38
CN14: Top Overlay "4" at 704.37,575 h38; Top Overlay "1" at 425.37,575 h38
CN15: Top Overlay "1" at 2950,830 h38 r90; Top Overlay "2" at 2950,935 h38 r90
D1: Top Overlay "+" at 2497.28,2067.35 h39.37 r180
U1: Top Overlay "1" at 2814.37,1845 h38 r270